# KiCad board st251_20938.kicad_pcb
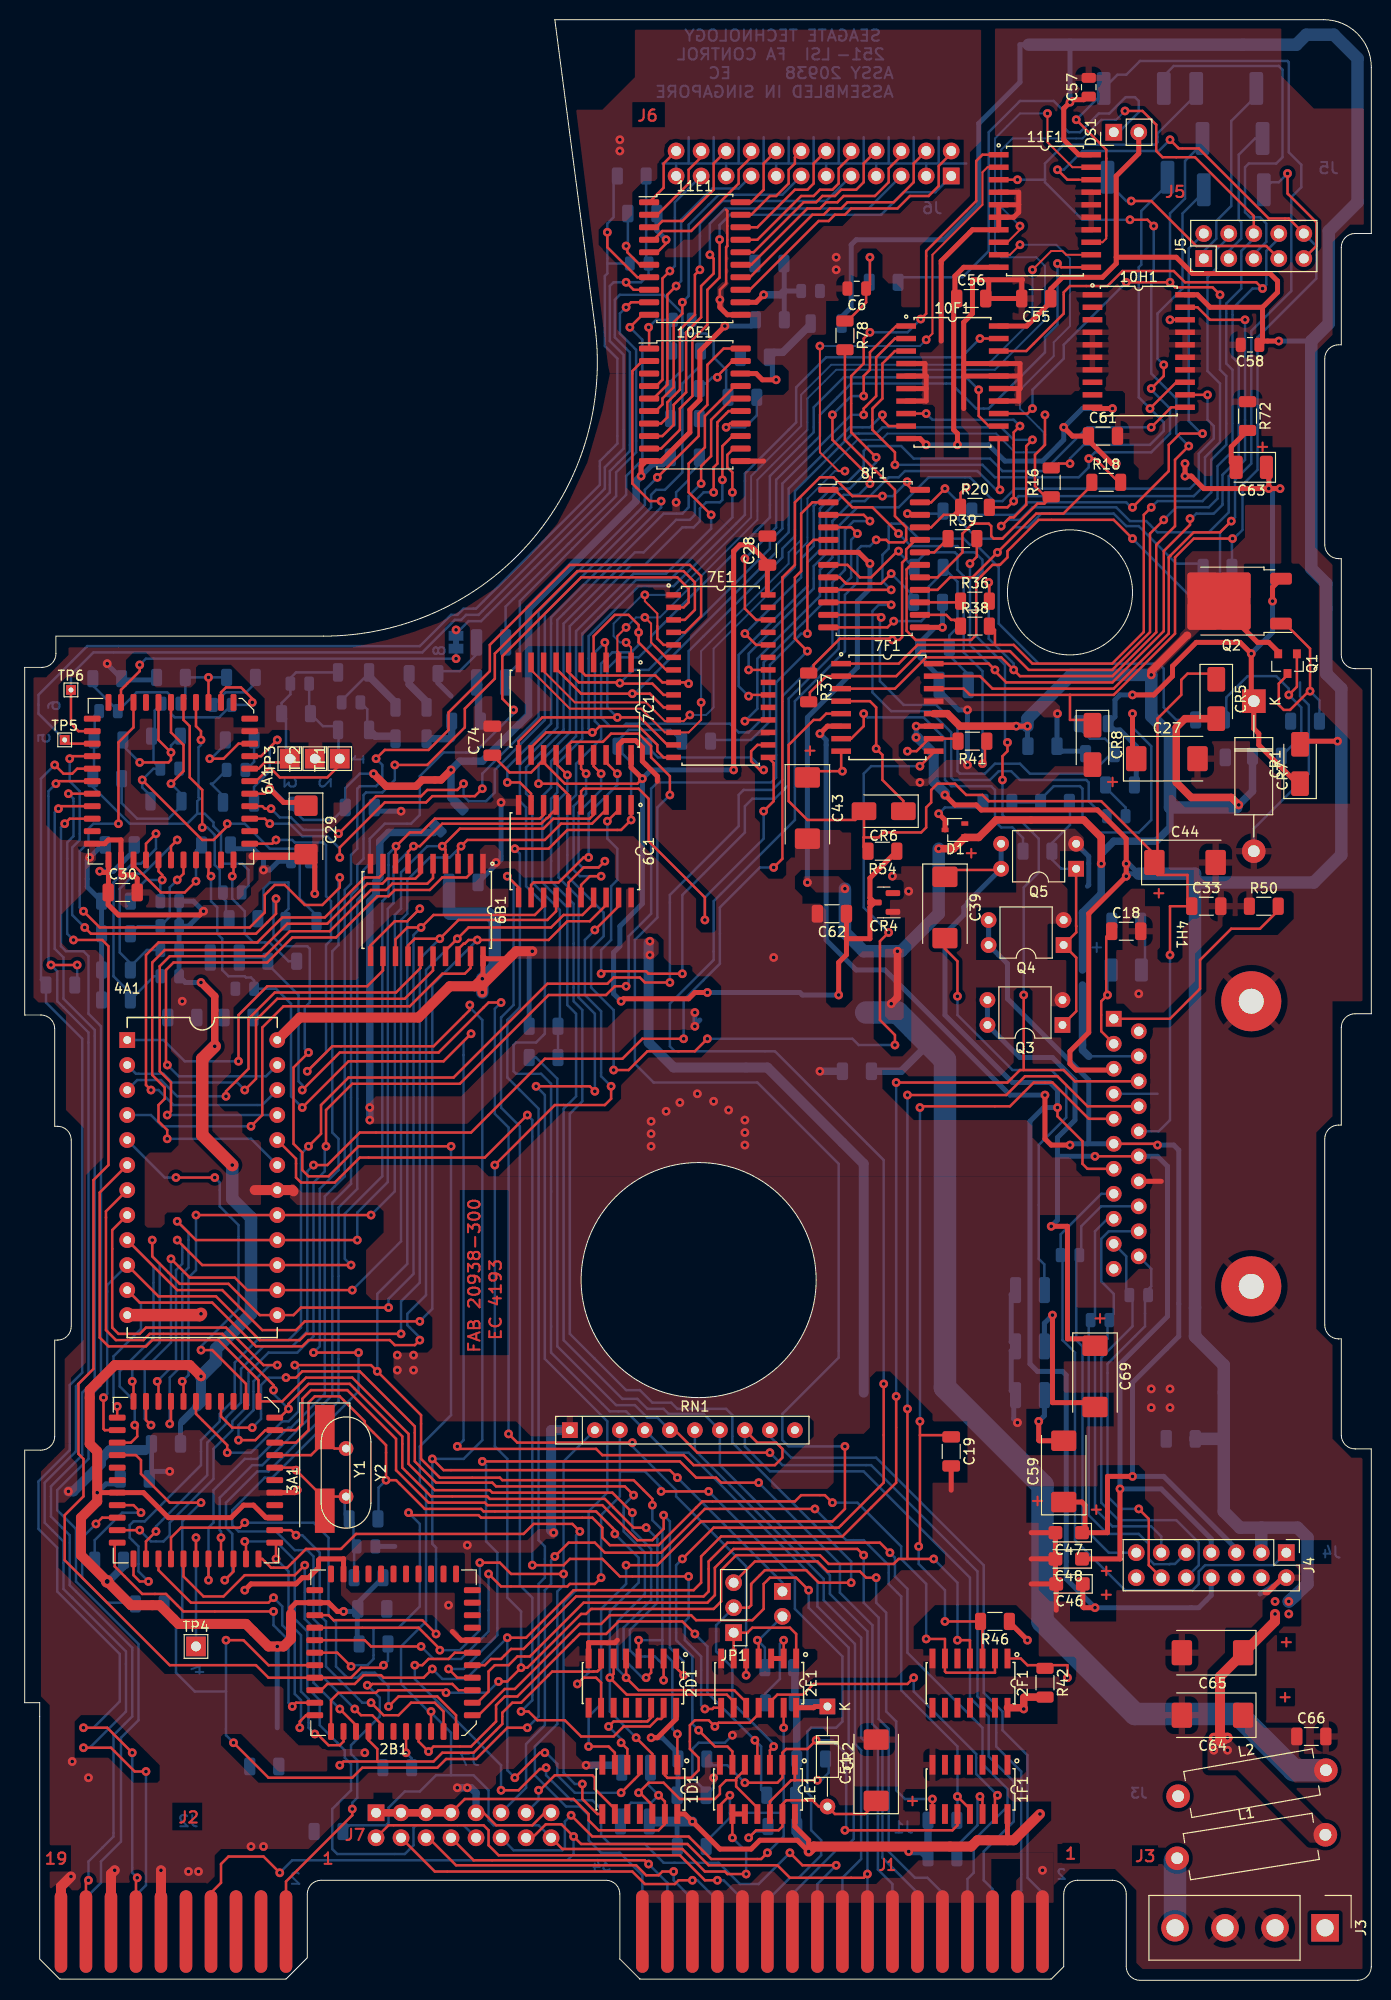
[diagram p0: board, top side]
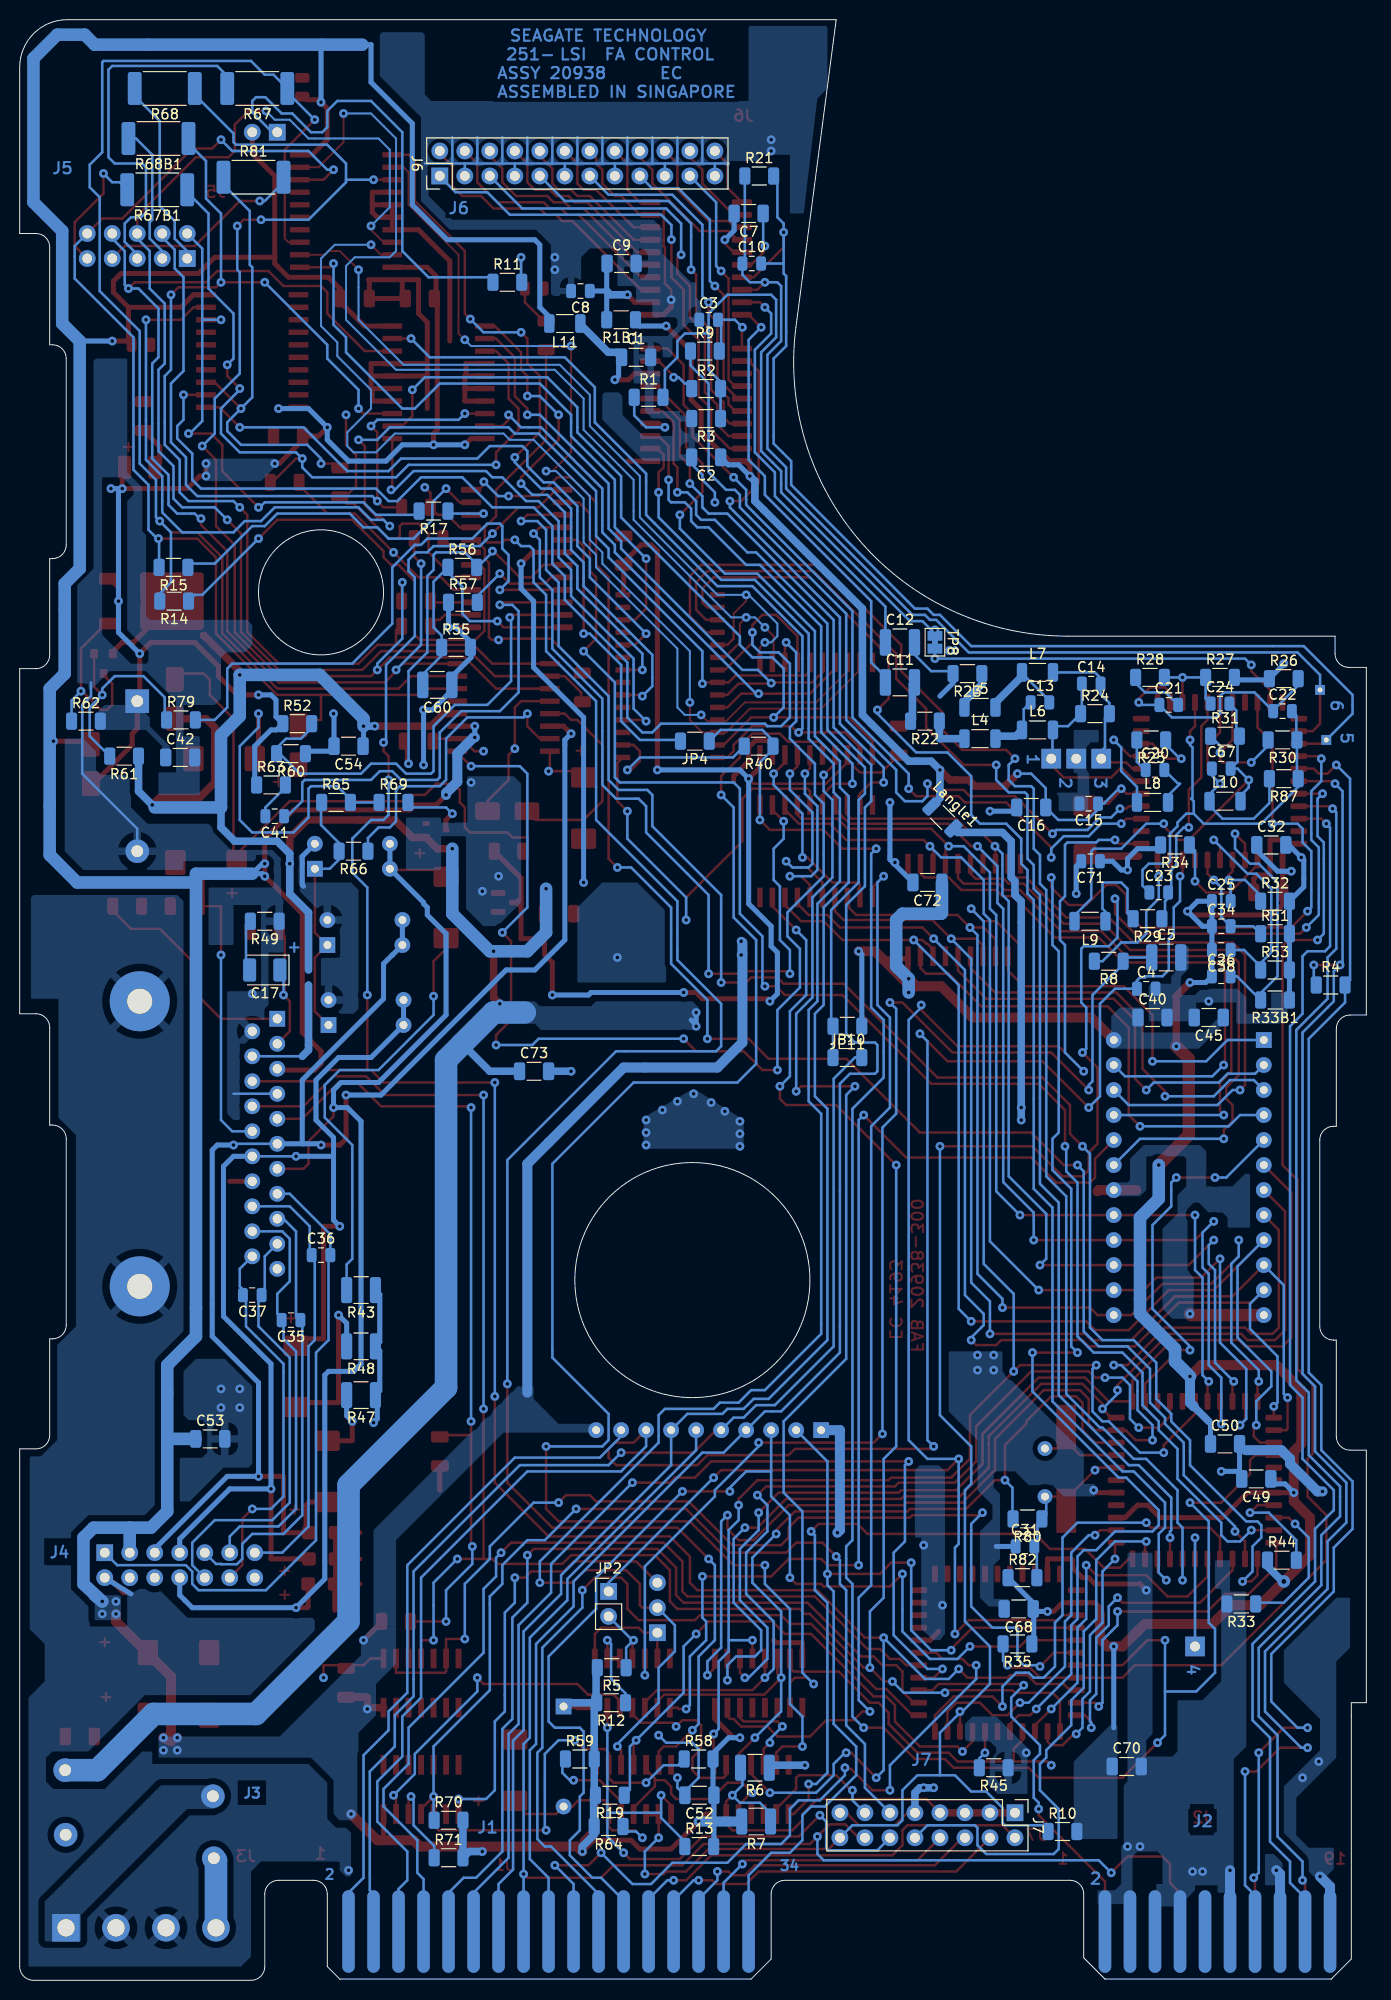
[diagram p1: board, bottom side, seen from below]

Outline 136.78 x 199.14 mm; copper layers: Top, Bottom. Coordinates in mm from the lower left corner of the outline.
Outline path: circle c68.45,71.12 r11.94 ; circle c106.17,140.97 r6.35 ; 0,133.35 0,98.04 1.65,98.04 arc(2.64,97.63) 3.05,96.65 3.05,86.74 3.33,86.74 arc(4.32,86.33) 4.73,85.34 4.73,66.42 arc(4.32,65.43) 3.33,65.02 3.05,65.02 3.05,55.25 arc(2.64,54.26) 1.65,53.85 0,53.85 0,28.19 1.52,28.19 1.52,2.16 3.56,0.13 26.54,0.13 28.7,2.29 28.7,8.76 arc(29.11,9.75) 30.1,10.16 59.05,10.16 arc(60.04,9.75) 60.45,8.76 60.45,2.16 62.48,0.13 104.27,0.13 105.54,1.4 105.54,8.76 arc(105.95,9.75) 106.93,10.16 110.49,10.16 arc(111.48,9.75) 111.89,8.76 111.89,1.4 arc(112.3,0.41) 113.28,0 135.38,0 arc(136.37,0.41) 136.78,1.4 136.78,53.98 135.13,53.98 arc(134.14,54.38) 133.73,55.37 133.73,65.15 133.45,65.15 arc(132.46,65.56) 132.05,66.55 132.05,85.47 arc(132.46,86.46) 133.45,86.87 133.73,86.87 133.73,96.77 arc(134.14,97.76) 135.13,98.17 136.78,98.17 136.78,133.22 135.13,133.22 arc(134.14,133.63) 133.73,134.62 133.73,144.4 133.45,144.4 arc(132.46,144.81) 132.05,145.8 132.05,164.72 arc(132.46,165.71) 133.45,166.12 133.73,166.12 133.73,176.02 arc(134.14,177.01) 135.13,177.42 136.78,177.42 136.78,194.31 arc(135.37,197.72) 131.95,199.14 53.85,199.14 57.94,167.9 arc(51.24,145.97) 30.35,136.53 3.17,136.53 3.17,134.75 arc(2.77,133.76) 1.78,133.35 0,133.35
Stack: Top 0.035mm / dielectric 1.51mm FR4 er 4.5 / Bottom 0.035mm

## Placement (name value [footprint] x y rotation side)
1D1  74LS14  [SOP127P620X175-14]  62.48 19.39 270 top
1E1  7406  [SOP127P620X175-14]  74.42 19.39 270 top
1F1  74LS74  [SOP127P620X175-14]  96.01 19.39 270 top
2B1  11647-502  [PLCC-44_16.6x16.6mm_P1.27mm]  37.46 33.27 180 top
2D1  74F138  [SOP127P620X175-16]  61.72 30.19 270 top
2E1  74F10  [SOP127P620X175-14]  74.55 30.19 270 top
2F1  74LS74  [SOP127P620X175-14]  96.01 30.19 270 top
3A1  R6518  [PLCC-44_16.6x16.6mm_P1.27mm]  17.4 50.8 270 top
4A1  27C32  [DIP254P1524X635-24]  10.41 95.5 0 top
4H1  11791  [MOT_DRIVE]  110.62 84.96 270 top
6A1  SSI296 10206-501  [PLCC-44_16.6x16.6mm_P1.27mm]  14.86 121.79 270 top
6B1  74LS373  [SOP127P1065X265-20]  40.84 108.71 270 top
6C1  74LS273  [SOP127P1065X265-20]  55.88 114.68 270 top
7C1  11782-501  [SOP127P1065X265-20]  55.88 129.16 270 top
7E1  11743-501  [SOP127P1070X255-28]  70.71 132.5 0 top
7F1  10223-502  [SOP127P1065X265-16]  87.63 129.29 0 top
8F1  11744-502  [SOIC-24W_7.5x15.4mm_P1.27mm]  86.28 144.4 0 top
10E1  10188-501  [SOIC-20W_7.5x12.8mm_P1.27mm]  68.07 160.02 0 top
10F1  11721-501  [SOP127P1065X265-20]  94.23 162.31 0 top
10H1  11721-501  [SOP127P1065X265-20]  113.16 165.48 0 top
11E1  10189-521  [SOIC-20W_7.5x12.8mm_P1.27mm]  68.07 174.88 0 top
11F1  11721-501  [SOP127P1065X265-20]  103.63 179.71 0 top
C1  0.1uF  [C_1206_3216Metric]  74.17 164.85 180 bottom
C2  0.1uF  [C_1206_3216Metric]  67.06 154.69 0 bottom
C3  0.01uF  [C_0805_2012Metric]  66.8 168.66 180 bottom
C4  100pF  [C_0805_2012Metric]  22.35 100.71 180 bottom
C5  0.068uF  [C_1210_3225Metric]  20.32 103.89 180 bottom
C6  18nF  [C_0805_2012Metric]  84.52 171.83 180 top
C7  0.012uF  [C_1206_3216Metric]  62.74 179.45 0 bottom
C8  0.01uF  [C_0805_2012Metric]  79.82 171.58 0 bottom
C9  0.1uF  [C_1206_3216Metric]  75.64 174.37 180 bottom
C10  22pF  [C_0805_2012Metric]  62.42 174.37 180 bottom
C11  0.1uF  [C_1210_3225Metric]  47.37 131.83 180 bottom
C12  0.1uF  [C_1210_3225Metric]  47.37 135.89 180 bottom
C13  100pF  [C_0805_2012Metric]  33.15 129.79 180 bottom
C14  330pF  [C_0805_2012Metric]  27.94 131.7 180 bottom
C15  0.015uF  [C_0805_2012Metric]  28.19 119.51 0 bottom
C16  0.1uF  [C_1206_3216Metric]  34.04 119.13 0 bottom
C17  1uF/35  [CP_EIA-3528-12_Kemet-T]  111.89 102.62 0 bottom
C18  39nF  [C_1206_3216Metric]  111.89 106.55 0 top
C19  1000pF  [C_1206_3216Metric]  94.11 53.72 270 top
C20  150pF  [C_0805_2012Metric]  21.46 122.94 180 bottom
C21  100pF  [C_0805_2012Metric]  20.07 129.54 180 bottom
C22  0.01uF  [C_0805_2012Metric]  8.51 128.91 180 bottom
C23  68pF  [C_0805_2012Metric]  21.08 110.49 180 bottom
C24  0.01uF  [C_0805_2012Metric]  14.86 129.67 180 bottom
C25  47pF  [C_0805_2012Metric]  14.73 109.6 180 bottom
C26  47pF  [C_0805_2012Metric]  14.73 101.98 180 bottom
C27  22uF 25V  [CP_EIA-7343-31_Kemet-D]  116.01 124.08 0 top
C28  0.1uF  [C_1206_3216Metric]  75.44 145.21 90 top
C29  4.7uF 35V  [CP_EIA-6032-20_AVX-F]  28.57 116.84 270 top
C30  0.1uF  [C_1206_3216Metric]  9.95 110.49 0 top
C31  15pF  [C_0805_2012Metric]  34.67 44.07 180 bottom
C32  0.1uF  [C_1206_3216Metric]  9.65 115.32 180 bottom
C33  0.1uF  [C_1206_3216Metric]  120.01 109.09 0 top
C34  47pF  [C_0805_2012Metric]  14.73 107.06 180 bottom
C35  0.01uF  [C_0805_2012Metric]  109.22 67.06 0 bottom
C36  0.01uF  [C_0805_2012Metric]  106.17 73.66 180 bottom
C37  0.01uF  [C_0805_2012Metric]  113.16 69.6 0 bottom
C38  47pF  [C_0805_2012Metric]  14.73 104.65 0 bottom
C39  10uF 25V  [CP_EIA-7343-31_Kemet-D]  93.47 108.97 270 top
C40  0.1uF  [C_1206_3216Metric]  21.72 97.79 180 bottom
C41  100pF  [C_0805_2012Metric]  110.87 118.24 0 bottom
C42  0.1uF  [C_1206_3216Metric]  120.47 124.21 180 bottom
C43  6.8uF 25V  [CP_EIA-7343-31_Kemet-D]  79.5 119.06 270 top
C44  22uF 25V  [CP_EIA-7343-31_Kemet-D]  117.86 113.54 0 top
C45  0.1uF  [C_1206_3216Metric]  16 97.79 0 bottom
C46  0.1uF  [CP_EIA-3216-10_Kemet-I]  106.12 40.26 180 top
C47  0.1uF  [CP_EIA-3216-10_Kemet-I]  106.04 45.47 180 top
C48  0.1uF  [CP_EIA-3216-10_Kemet-I]  106.04 42.8 180 top
C49  0.1uF  [C_1206_3216Metric]  11.18 50.93 0 bottom
C50  0.1uF  [C_1206_3216Metric]  14.35 54.48 180 bottom
C51  22uF 25V  [CP_EIA-7343-31_Kemet-D]  86.49 21.34 90 top
C52  0.1uF  [C_1206_3216Metric]  67.74 18.8 0 bottom
C53  0.1uF  [C_1206_3216Metric]  117.43 54.99 180 bottom
C54  0.1uF  [C_1206_3216Metric]  103.38 125.35 0 bottom
C55  0.1uF  [C_1206_3216Metric]  102.74 170.81 180 top
C56  0.1uF  [C_1206_3216Metric]  96.14 170.81 0 top
C57  18nF  [C_0805_2012Metric]  108.08 192.28 90 top
C58  18nF  [C_0805_2012Metric]  124.46 166.12 180 top
C59  10uF  [CP_EIA-7343-31_Kemet-D]  105.54 51.69 90 top
C60  0.1uF  [C_1210_3225Metric]  94.36 131.57 0 bottom
C61  0.1uF  [C_1206_3216Metric]  109.52 156.85 0 top
C62  0.1uF  [C_1206_3216Metric]  81.99 108.33 180 top
C63  1uF 35V  [CP_EIA-3528-12_Kemet-T]  124.59 153.67 180 top
C64  22uF 25V  [CP_EIA-7343-31_Kemet-D]  120.65 26.92 180 top
C65  22uF 25V  [CP_EIA-7343-31_Kemet-D]  120.65 33.27 180 top
C66  0.1uF  [C_1206_3216Metric]  130.68 24.77 0 top
C67  22pF  [C_0805_2012Metric]  14.73 123.06 180 bottom
C68  0.1uF  [C_1206_3216Metric]  35.31 37.72 0 bottom
C69  10uF  [CP_EIA-7343-31_Kemet-D]  108.71 61.34 270 top
C70  0.1uF  [C_1206_3216Metric]  24.34 21.72 180 bottom
C71  0.015uF  [C_0805_2012Metric]  28.01 113.67 0 bottom
C72  0.1uF  [C_1206_3216Metric]  44.58 111.51 0 bottom
C73  0.1uF  [C_1206_3216Metric]  84.53 92.33 180 bottom
C74  0.1uF  [C_1206_3216Metric]  47.5 125.91 90 top
CR1  BL9  [D_SMA]  129.54 123.54 90 top
CR2  1N4002  [D_DO-35_SOD27_P10.16mm_Horizontal]  81.53 27.81 270 top
CR4  BZX84C5V1  [SOT-23]  87.25 109.47 180 top
CR5  BL9  [D_SMA]  121.03 130.14 270 top
CR6  BL9  [D_SMA]  87.25 118.75 180 top
CR7  P6KE13  [D_DO-15_P15.24mm_Horizontal]  124.84 129.92 270 top
CR8  BL9  [D_SMA]  108.46 125.48 270 top
D1  BAS16W  [SOT-323_SC-70]  94.49 116.84 180 top
DS1  LED_Small_Filled  [PinHeader_1x02_P2.54mm_Vertical]  110.62 187.71 90 top
J1  control  [EDGE_34_100]  83.06 4.95 0 top
J2  data  [EDGE_20_100]  15.11 4.95 0 top
J3  POWER  [Samtec_HPM-04-01-x-S_Straight_1x04_Pitch5.08mm]  132.08 5.33 270 top
J4  SPINDLE  [PinHeader_2x07_P2.54mm_Vertical]  128.14 43.43 270 top
J5  STEPPER  [PinHeader_2x05_P2.54mm_Vertical]  119.76 174.88 90 top
J6  HEADS  [PinHeader_2x12_P2.54mm_Vertical]  94.11 183.26 90 bottom
J7  CONFIG  [PinHeader_2x08_P2.54mm_Vertical]  35.69 17.02 270 bottom
JP1  Conn_01x03  [PinHeader_1x03_P2.54mm_Vertical]  72.01 35.31 180 top
JP2  Jumper_2_Open  [PinHeader_1x02_P2.54mm_Vertical]  76.96 39.5 180 bottom
JP4  Jumper_2_Open  [R_1206_3216Metric]  68.2 125.86 0 bottom
JP10  0  [R_1206_3216Metric]  52.71 93.73 180 bottom
JP11  DNI  [R_1206_3216Metric]  52.71 96.9 0 bottom
L1  22uH  [L_Axial_L13.0mm_D4.5mm_P15.24mm_Horizontal_Fastron_HCCC]  117.06 12.4 9 top
L2  22uH  [L_Axial_L13.0mm_D4.5mm_P15.24mm_Horizontal_Fastron_HCCC]  117.15 18.7 10 top
L4  2.2uH  [L_1206_3216Metric]  39.24 126.11 180 bottom
L5  2.2uH  [L_1206_3216Metric]  39.24 129.29 180 bottom
L6  10uH  [L_1206_3216Metric]  33.4 127 180 bottom
L7  10uH  [L_1206_3216Metric]  33.4 132.84 180 bottom
L8  2.7uH  [L_1206_3216Metric]  21.72 119.63 180 bottom
L9  39uH  [L_1206_3216Metric]  28.07 107.57 0 bottom
L10  39uH  [L_1206_3216Metric]  14.35 119.76 180 bottom
L11  10uH  [L_1206_3216Metric]  81.41 168.28 0 bottom
Langle1  10uH  [L_1206_3216Metric]  43.05 118.11 225 bottom
Q1  BC859  [SOT95P230X117-3]  128.27 133.73 270 top
Q2  2SD1760  [TO-252-2]  122.57 140.08 180 top
Q3  IRFD110  [DIP-4_W7.62mm]  105.41 97.03 180 top
Q4  IRFD110  [DIP-4_W7.62mm]  105.53 105.15 180 top
Q5  IRFD110  [DIP-4_W7.62mm]  106.8 112.9 180 top
R1  1.62K  [R_1206_3216Metric]  72.9 160.78 180 bottom
R1B1  5.1  [R_1206_3216Metric]  75.69 168.66 0 bottom
R2  2.43K  [R_1206_3216Metric]  67.06 161.67 180 bottom
R3  64.9  [R_1206_3216Metric]  67.06 158.62 0 bottom
R4  100 1%  [R_1206_3216Metric]  3.62 101.09 180 bottom
R5  20K  [R_1206_3216Metric]  76.64 31.75 0 bottom
R6  330  [R_1210_3225Metric]  62.1 21.59 0 bottom
R7  220  [R_1210_3225Metric]  61.98 16.13 0 bottom
R8  47.5 1%  [R_1206_3216Metric]  26.16 103.51 0 bottom
R9  5.1  [R_1206_3216Metric]  67.18 165.48 180 bottom
R10  3K  [R_1206_3216Metric]  30.86 15.11 180 bottom
R11  100  [R_1206_3216Metric]  87.25 172.47 180 bottom
R12  3K  [R_1206_3216Metric]  76.71 28.19 0 bottom
R13  3K  [R_1206_3216Metric]  67.76 13.59 180 bottom
R14  1K  [R_1206_3216Metric]  121.09 140.08 0 bottom
R15  1K  [R_1206_3216Metric]  121.16 143.51 0 bottom
R16  1K  [R_1206_3216Metric]  104.27 152.15 90 top
R17  1K  [R_1206_3216Metric]  94.74 149.23 0 bottom
R18  1K  [R_1206_3216Metric]  109.85 152.15 0 top
R19  3K  [R_1206_3216Metric]  76.84 18.8 0 bottom
R20  1K  [R_1206_3216Metric]  96.52 149.61 0 top
R21  511 1%  [R_1206_3216Metric]  61.66 183.26 180 bottom
R22  162  [R_1206_3216Metric]  44.83 127.89 0 bottom
R23  162  [R_1206_3216Metric]  40.51 132.72 0 bottom
R24  357  [R_1206_3216Metric]  27.56 128.65 180 bottom
R25  100 1%  [R_1206_3216Metric]  21.84 125.98 0 bottom
R26  499 1%  [R_1206_3216Metric]  8.38 132.21 180 bottom
R27  499 1%  [R_1206_3216Metric]  14.86 132.33 180 bottom
R28  10 1%  [R_1206_3216Metric]  21.97 132.33 180 bottom
R29  1.82K 1%  [R_1206_3216Metric]  22.23 107.82 0 bottom
R30  2.61K  [R_1206_3216Metric]  8.51 125.98 0 bottom
R31  1.62K  [R_1206_3216Metric]  14.35 126.37 180 bottom
R32  14.7K 1%  [R_1206_3216Metric]  9.27 109.6 180 bottom
R33  0  [R_1206_3216Metric]  12.7 38.23 0 bottom
R33B1  8.87K  [R_1206_3216Metric]  9.27 99.57 0 bottom
R34  2K  [R_1206_3216Metric]  19.43 115.32 0 bottom
R35  3K  [R_1206_3216Metric]  35.43 34.16 0 bottom
R36  1K  [R_1206_3216Metric]  96.52 140.08 0 top
R37  1K  [R_1206_3216Metric]  79.63 131.32 270 top
R38  1K  [R_1206_3216Metric]  96.52 137.54 0 top
R39  1K  [R_1206_3216Metric]  95.25 146.43 0 top
R40  20K  [R_1206_3216Metric]  61.72 125.35 0 bottom
R41  100  [R_1206_3216Metric]  96.27 125.86 180 top
R42  10K  [R_1206_3216Metric]  103.63 30.23 270 top
R43  5.1  [R_1210_3225Metric]  102.11 70.1 0 bottom
R44  3K  [R_1206_3216Metric]  8.57 42.67 180 bottom
R45  10K  [R_1206_3216Metric]  37.85 21.59 0 bottom
R46  1.3K  [R_1206_3216Metric]  98.55 36.45 180 top
R47  5.1  [R_1210_3225Metric]  102.11 59.44 0 bottom
R48  5.1  [R_1210_3225Metric]  102.11 64.39 0 bottom
R49  820K  [R_1206_3216Metric]  111.89 107.57 0 bottom
R50  15K 1%  [R_1206_3216Metric]  125.86 109.09 0 top
R51  17.4K  [R_1206_3216Metric]  9.27 106.3 180 bottom
R52  10K  [R_1206_3216Metric]  108.58 127.64 180 bottom
R53  10K  [R_1206_3216Metric]  9.27 102.62 180 bottom
R54  1K  [R_1206_3216Metric]  87.12 114.68 180 top
R55  10K 1%  [R_1206_3216Metric]  92.46 135.38 180 bottom
R56  100K  [R_1206_3216Metric]  91.82 143.51 180 bottom
R57  1.62K  [R_1206_3216Metric]  91.76 139.95 180 bottom
R58  3K  [R_1206_3216Metric]  67.82 22.48 180 bottom
R59  3K  [R_1206_3216Metric]  79.88 22.48 180 bottom
R60  20K  [R_1206_3216Metric]  109.22 124.59 0 bottom
R61  1.3K 1%  [R_1206_3216Metric]  126.17 124.33 0 bottom
R62  1K  [R_1206_3216Metric]  130.05 127.89 180 bottom
R63  100  [R_1206_3216Metric]  111.25 121.41 180 bottom
R64  47.5K  [R_1206_3216Metric]  76.96 15.62 0 bottom
R65  1M  [R_1206_3216Metric]  104.65 119.63 180 bottom
R66  10K  [R_1206_3216Metric]  102.87 114.68 0 bottom
R67  5.1  [R_2512_6332Metric_Pad1.40x3.35mm_HandSolder]  112.65 192.15 0 bottom
R67B1  5.1  [R_2512_6332Metric_Pad1.40x3.35mm_HandSolder]  122.81 181.86 0 bottom
R68  5.1  [R_2512_6332Metric_Pad1.40x3.35mm_HandSolder]  122.04 192.15 0 bottom
R68B1  5.1  [R_2512_6332Metric_Pad1.40x3.35mm_HandSolder]  122.68 187.07 0 bottom
R69  475  [R_1206_3216Metric]  98.81 119.63 180 bottom
R70  3K  [R_1206_3216Metric]  93.22 16.26 180 bottom
R71  3K  [R_1206_3216Metric]  93.22 12.45 180 bottom
R72  22.1  [R_1206_3216Metric]  124.21 158.88 270 top
R78  51  [R_1206_3216Metric]  83.31 167.07 270 top
R79  3.01K  [R_1206_3216Metric]  120.4 128.02 180 bottom
R80  26.1K  [R_1206_3216Metric]  34.42 46.86 0 bottom
R81  5.1  [R_2512_6332Metric_Pad1.40x3.35mm_HandSolder]  113.03 183.13 180 bottom
R82  DNI  [R_1206_3216Metric]  34.93 40.89 180 bottom
R87  750 1%  [R_1206_3216Metric]  8.38 122.05 0 bottom
RN1  220/330  [R_Array_SIP10]  55.37 55.88 0 top
TP1  1/2 STEP  [TestPoint_THTPad_2.0x2.0mm_Drill1.0mm]  32 124.08 90 top
TP2  1/2 STEP  [TestPoint_THTPad_2.0x2.0mm_Drill1.0mm]  29.46 124.08 90 top
TP3  1/2 STEP  [TestPoint_THTPad_2.0x2.0mm_Drill1.0mm]  26.92 124.08 90 top
TP4  1/2 STEP  [TestPoint_THTPad_2.0x2.0mm_Drill1.0mm]  17.4 33.91 0 top
TP5  1/2 STEP  [TestPoint_THTPad_1.0x1.0mm_Drill0.5mm]  4.06 125.98 0 top
TP6  1/2 STEP  [TestPoint_THTPad_1.0x1.0mm_Drill0.5mm]  4.7 131.06 0 top
TP8  Jumper_2_Bridged  [SolderJumper-2_P1.3mm_Bridged_Pad1.0x1.5mm]  43.82 135.91 270 bottom
Y1  Crystal_Small  [Crystal_SMD_HC49-SD]  30.48 51.94 270 top
Y2  Crystal_Small  [Crystal_HC49-U_Vertical]  32.64 54.01 270 top

## Library data of the parts
1D1 = -: Description: Hex inverter schmitt trigger
1E1 = -: Description: Inverter Open Collect
1F1 2F1 = -: Description: Dual D Flip-flop, Set & Reset
2D1 = -: Description: Decoder 3 to 8 active low outputs
2E1 = -: Description: Triple 3-input NAND
6B1 = -: Description: 8-bit Latch, 3-state outputs
6C1 = -: Description: 8-bit D Flip-Flop, reset
C1-C16 C18-C26 C28 C30-C38 C40-C42 C45 C49 C50 C52-C58 C60-C62 C66-C68 C70-C74 = -: Description: Unpolarized capacitor, small symbol
C17 C27 C29 C39 C43 C44 C46-C48 C51 C59 C63-C65 C69 = -: Description: Polarized capacitor, small US symbol
CR1 CR5 CR6 CR8 = -: Description: Schottky diode, small symbol, filled shape
CR2 = -: Description: Diode, small symbol, filled shape; Sim.Device: D; Sim.Pins: 1=K 2=A
CR4 = -: Description: 300mW Zener Diode, SOT-23
CR7 = -: Description: Zener diode, small symbol, filled shape
D1 = -: Description: 100V, 0.175A, High-speed Switching Diode, SOT-323
DS1 = -: Description: Light emitting diode, small symbol, filled shape
J1 = -: Description: Generic connector, double row, 02x17, odd/even pin numbering scheme (row 1 odd numbers, row 2 even numbers), script generated (kicad-library-utils/schlib/autogen/connector/)
J2 = -: Description: Generic connector, double row, 02x10, odd/even pin numbering scheme (row 1 odd numbers, row 2 even numbers), script generated (kicad-library-utils/schlib/autogen/connector/)
J3 = -: Description: Generic connector, single row, 01x04, script generated (kicad-library-utils/schlib/autogen/connector/)
J4 = -: Description: Generic connector, double row, 02x07, odd/even pin numbering scheme (row 1 odd numbers, row 2 even numbers), script generated (kicad-library-utils/schlib/autogen/connector/)
J5 = -: Description: Generic connector, double row, 02x05, odd/even pin numbering scheme (row 1 odd numbers, row 2 even numbers), script generated (kicad-library-utils/schlib/autogen/connector/)
J6 = -: Description: Generic connector, double row, 02x12, odd/even pin numbering scheme (row 1 odd numbers, row 2 even numbers), script generated (kicad-library-utils/schlib/autogen/connector/)
J7 = -: Description: Generic connector, double row, 02x08, odd/even pin numbering scheme (row 1 odd numbers, row 2 even numbers), script generated (kicad-library-utils/schlib/autogen/connector/)
JP1 = -: Description: Generic connector, single row, 01x03, script generated (kicad-library-utils/schlib/autogen/connector/)
JP2 JP4 = -: Description: Jumper, 2-pole, open
JP10 JP11 R1 R1B1 R2-R33 R33B1 R34-R67 R67B1 R68 R68B1 R69-R72 R78-R82 R87 = -: Description: Resistor, small US symbol
L1 L2 = -: Description: Inductor
L4-L11 Langle1 = -: Description: Inductor, small symbol
Q1 = -: Description: 0.1A Ic, 30V Vce, PNP Small Signal Transistor, SOT-23
Q2 = -: Description: NPN transistor, base/collector/emitter
Q3-Q5 = -: Description: Transistor N-MOSFET (4-DIP)
RN1 = -: Description: 8 voltage divider network, dual terminator, SIP package
TP1-TP6 = -: Description: test point (alternative shape)
TP8 = -: Description: Jumper, 2-pole, closed/bridged
Y1 Y2 = -: Description: Two pin crystal, small symbol
